# Allegro board ultrasound_tnr_1000a_01_20171121.brd (continued)
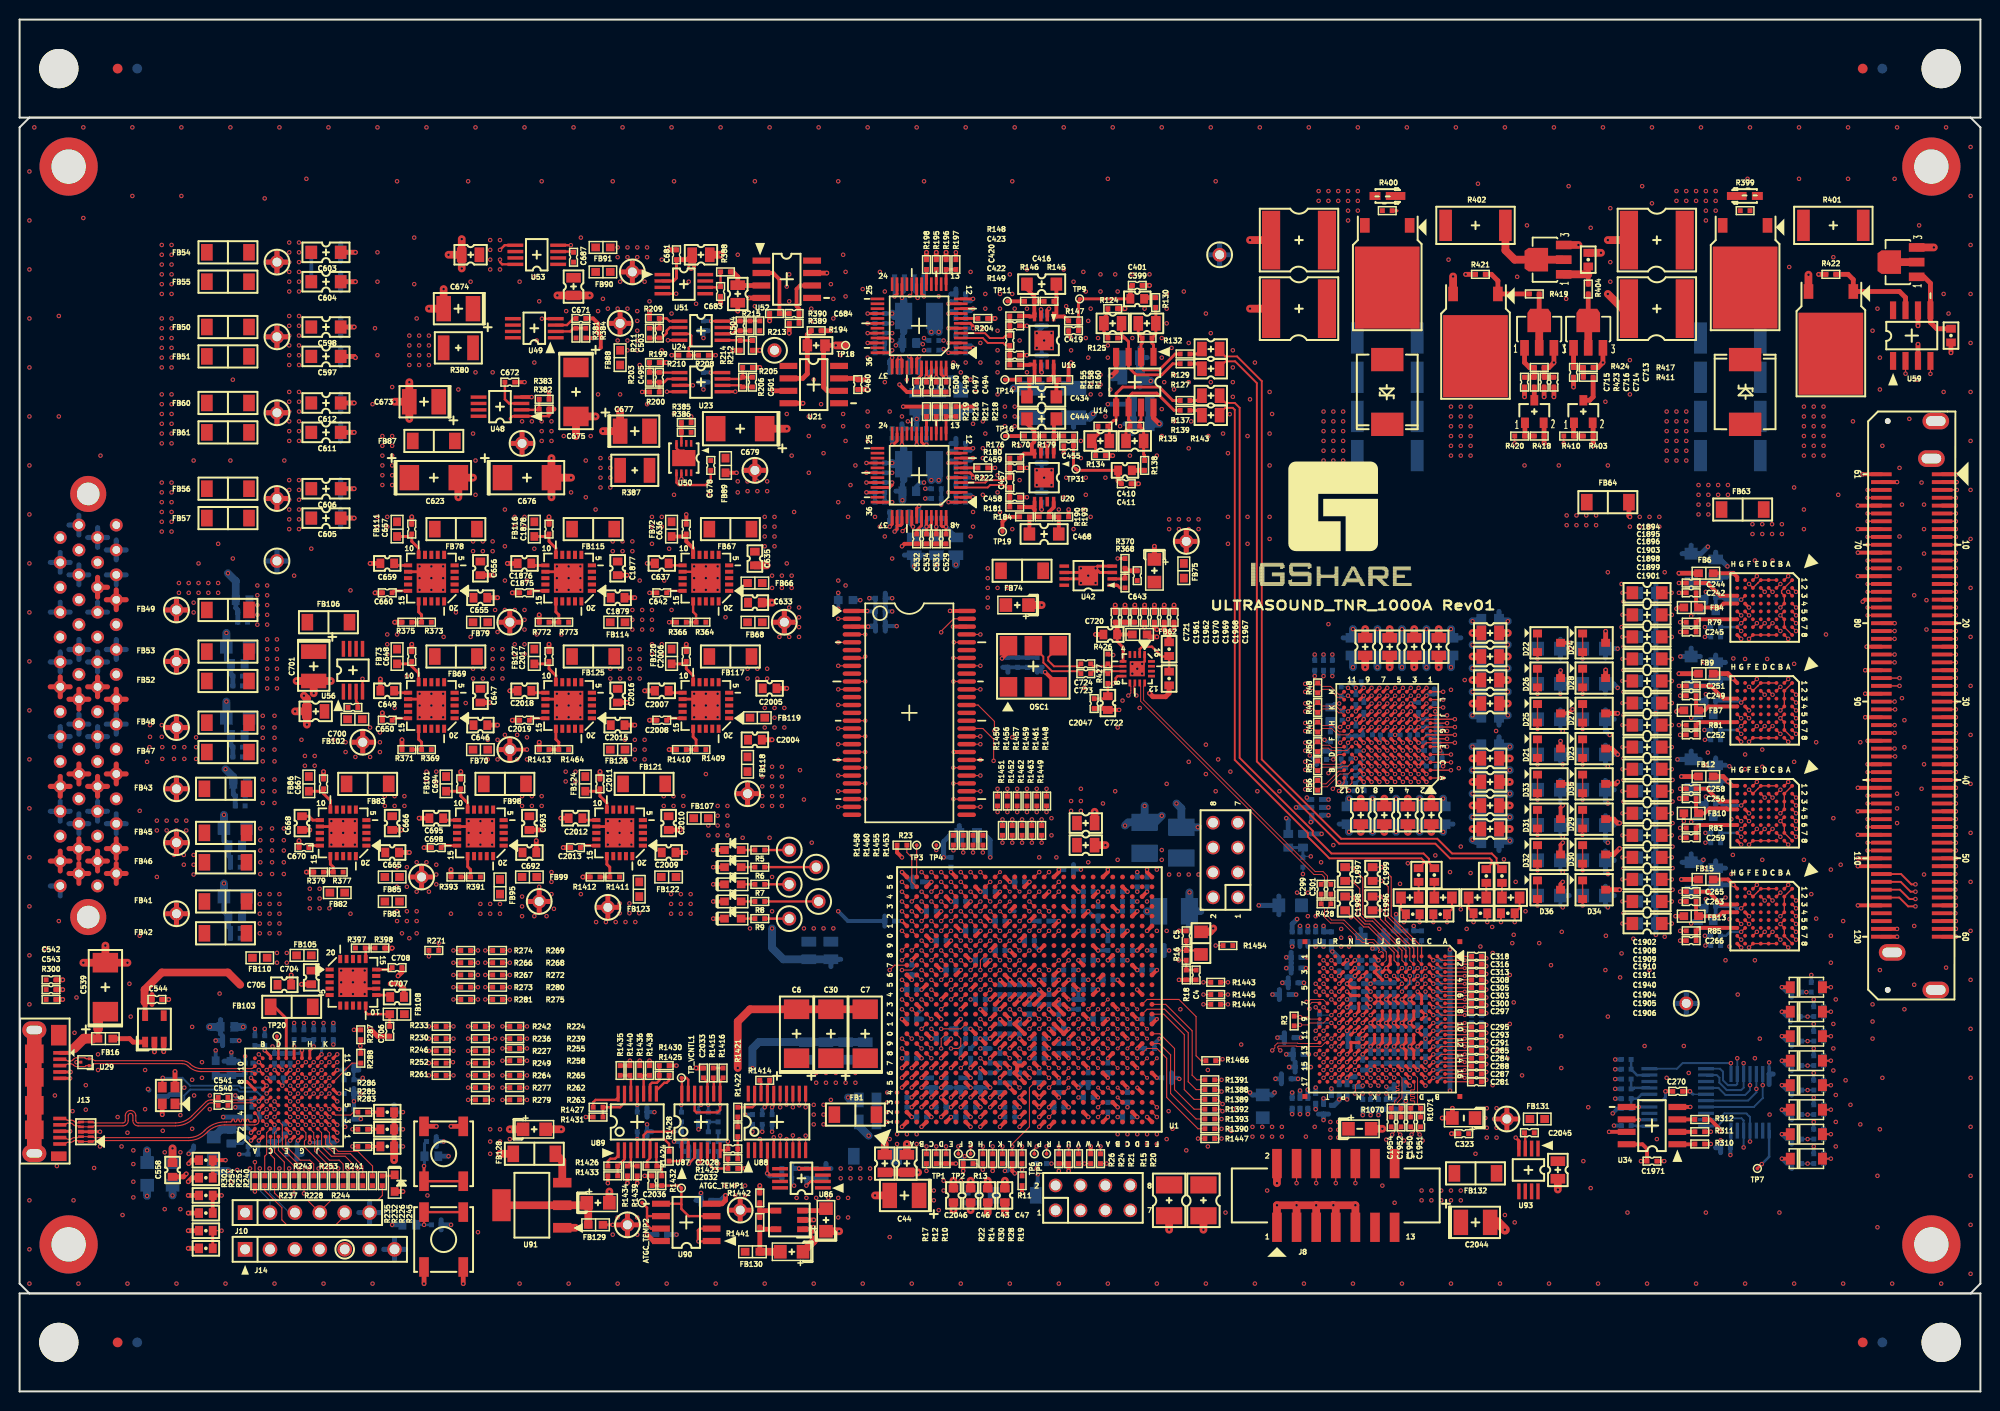
[diagram p0: board, top side]
## Routing (per net, layer and track width the routed paths; a pad name or vN(x,y) marks a point on that pad's centre or on a via; arc(x,y) is an arc through that point) (continued)
  TOP w0.5: v1(41.25,11) SW2.4 ; U21.4 v1(79.91,100.84) ; D34.3 v1(163.2,51.2) ; C704.2 v1(28.75,41.55) ; C2017.2 v1(54,76.25) ; C659.2 v1(35.75,84.5) ; R371.1 v1(39,66.5) ; C1877.2 v1(61.95,83.3) ; C323.2 v1(146.05,26.3) ; C2018.2 v1(50,71.5) ; C1878.2 v1(54,89.25) ; v1(145.1,27.9) C342.2 v1(146.14,28.89) ; R379.1 v1(29.25,53) ; C716.1 v1(155.5,101.5) ; SW1.4 v1(44,27.05) ; C722.2 110.85,69.7 C2047.2 ; C681.2 v1(66.25,116.5) ; C543.2 v1(4.4,41) ; R772.1 v1(53,79.25) ; R409.1 v1(197,106) ; R421.1 v1(147.5,114) ; C1876.2 v1(49.75,84.5) ; C2009.2 v1(67.95,55) ; R204.1 v1(99.5,109.5) ; R422.1 v1(183.5,114) ; R1410.1 v1(66.25,65.5) ; U52.4 v1(74.34,111.59) ; C2012.2 v1(55.2,58.5) ; C708.2 39,42.8 v1(38.6,42.4) ; C605.2 v1(34.12,89.12) ; C650.2 v1(37,69.25) ; C411.2 v1(114.12,92.62) ; C1968.2 v1(116.75,80.25) ; C611.2 v1(34.12,97.88) ; C2010.2 v1(67.4,57.3) ; C1962.2 v1(113.75,80.25) ; C645.1 v1(115.75,86.25) ; v1(17.2,21.4) 17.6,21.8 R297.1 ; D29.3 162.6,58.4 163,58 v1(163.2,58) ; v1(37.8,41.6) 38.7,41.6 39.2,41.1 C707.2 ; R298.1 v1(17.2,16.4) ; D27.3 v1(163,69.2) ; v1(163.2,55.4) 162.6,54.8 D30.3 ; C2016.2 v1(61.95,70.3) ; C597.2 34.12,105.62 v1(34.25,105.5) ; C660.2 v1(36.25,81.5) ; C655.2 v1(48.75,81) ; Y1.4 v1(14.55,28.25) ; C542.2 v1(4.4,42) ; C604.2 v1(34.25,113.25) ; C695.2 v1(40.75,58.5) ; C667.2 v1(31,63.25) ; C682.2 v1(73.25,110.25) ; R1413.1 v1(53,66.25) ; C1879.2 v1(62.75,81) ; C698.2 v1(41.25,55.5) ; SW1.3 v1(42.5,27.05) ; C2007.2 v1(63.75,71.5) ; C256.2 v1(169.3,60.5) ; C713.1 v1(158.5,102.5) ; C1875.2 v1(50.25,81.5) ; C720.2 v1(109.75,77.25) ; C603.2 v1(34.25,116.25) ; C706.2 36.5,36.25 v1(35.75,37) ; C460.1 v1(86.5,102.25) ; R393.1 v1(44,53.25) ; U92.1 80.8,16.55 v1(81,16.75) ; C694.2 v1(45,63.25) ; C649.2 v1(36.8,72.7) ; C670.2 v1(28.5,56.2) ; C2019.2 v1(50.25,68.5) ; R194.2 v1(82.75,108.25) ; Y1.2 v1(15.85,32.65) ; D28.3 v1(161.78,73.62) ; C612.2 v1(34.12,100.88) ; R375.1 v1(38.25,78.5) ; C544.1 v1(15.21,40) ; C606.2 v1(34.12,92.12) ; C666.2 v1(38.95,57.3) ; C1967.2 v1(117.75,80.25) ; C714.1 v1(156.5,101.5) ; D23.3 162.4,65.6 v1(163,65) ; R1468.1 117.25,71.25 116.9,70.9 115.6,70.9 v1(115.25,71.25) ; C2015.2 v1(62.75,68) ; C401.2 v1(115.25,112.88) ; C1969.2 v1(115.75,80.25) ; R1442.1 v1(75.5,21) ; R398.1 37.27,45.23 37.98,45.23 v1(38,45.25) ; C2011.2 v1(59.2,63.25) ; C558.1 16.7,21.9 v1(17,22.2) ; D35.3 162.8,62 v1(163,62.2) ; C715.1 v1(153.5,101.5) ; U30.2 v1(13.75,34.65) ; C657.2 v1(40,89.25) ; C648.2 v1(40,76.25) ; C1961.2 v1(112.75,80.25) ; SW2.3 v1(45.25,11) ; C668.2 v1(29.6,57.3) ; C2033.2 v1(69,33) ; C721.2 v1(111.75,80.25) ; C705.2 v1(27.7,42.5) ; R214.2 v1(72.75,106.25) ; C2006.2 v1(68,76.25) ; R134.2 v1(111.5,95.5) ; C2005.2 v1(78.25,71.75) ; C656.2 v1(48.2,83.3) ; C693.2 v1(53.2,57.3) ; U30.3 v1(14.7,34.67) ; C683.2 v1(71.5,111) ; C647.2 v1(47.95,70.3) ; R300.1 v1(4.4,40) ; R296.1 v1(17.2,20) ; D24.3 v1(161.78,77.58) ; R1412.1 v1(57.45,52.5) ; R124.2 v1(112.75,110.5) ; U59.3 v1(193.63,106.86) ; C646.2 v1(48.75,68) ; C692.2 v1(52.7,56.2) ; C2013.2 v1(55.45,55.5) ; C1970.2 v1(114.75,80.25) ; C2004.2 v1(76.75,66.5) ; C598.2 v1(34.12,108.62) ; C665.2 v1(39.75,55) ; C2008.2 v1(64.25,68.5)
  TOP w0.8: v1(132.25,19) v1(130.25,19) ; v1(132.25,19) J8.5 ; v1(132.25,19) v1(134,19) ; v1(130.25,19) J8.3 ; v1(130.25,19) v1(128.25,19) J8.1 ; C143.2 v1(152,59.8) ; C701.2 v1(28.25,72.5) ; C701.2 v1(31.75,72.5) ; C701.2 v1(30,71.25) ; C699.2 v1(28.1,69.4) ; C699.2 v1(29.3,68.05) ; C699.2 29.3,70.7 v1(29,71) ; C152.2 v1(141.6,57.1) ; R412.1 v1(161.3,116.2) ; v1(91.65,22.35) C130.2 C129.2 ; C539.2 v1(6.5,43.75) ; C539.2 v1(8.75,45.5) ; C539.2 v1(11,43.75) ; C44.2 v1(87.25,20) ; C673.2 v1(39.75,99.25) ; C673.2 v1(38.25,101) ; C673.2 v1(39.75,103) ; C144.2 v1(152,62.2) ; C172.2 v1(139.75,77.8) ; C163.2 v1(151.8,72.6) ; C78.2 v1(109.65,59.15) ; C153.2 v1(139.2,57.1) ; C158.2 v1(136.8,57.1) ; v1(81,16) 81,15.34 C2042.1 ; C146.2 v1(152,57.4) ; C334.2 v1(139,26.8) ; C679.1 v1(78.25,98.25) ; v1(61.25,100) C677.1 v1(59.5,98) ; J8.9 v1(136.25,19) v1(134,19) ; C60.2 v1(120.75,16.5) ; C61.2 v1(117.25,16.5) ; Q7.3 v1(182.46,113.96) ; C173.2 v1(137.25,77.8) ; C635.2 v1(76.2,84.3) ; C686.2 v1(45.1,117.6) ; C686.2 v1(45.1,114.6) ; C686.2 v1(43.75,116) ; C711.1 v1(125.5,117.5) ; C43.2 v1(98.75,18.25) ; C46.2 v1(97,18.5) ; C644.1 v1(104.25,80.25) ; C676.2 v1(56.25,93.25) ; C676.2 v1(54.25,95.25) ; C676.2 v1(54.25,91.25) ; v1(43.25,112.5) C674.2 v1(41.75,110.5) ; C154.2 v1(144,57.1) ; C167.2 v1(151.8,70.2) ; v1(73.25,33) 73.25,37.75 74.5,39 C6.2 C30.2 C7.2 ; C633.2 v1(76.75,80.5) ; v1(54.85,111.85) C685.2 v1(58.15,111.85) ; U91.1 v1(56.7,16.7) ; Q4.3 v1(159,117) ; C2046.2 v1(95.25,18.5) ; C165.2 v1(151.8,75) ; C2039.2 v1(55.25,26.75) ; C176.2 v1(144.75,77.8) ; v1(134,19) 134.25,18.75 J8.7 ; C709.1 163.5,110.5 v1(162,112) ; v1(46.25,93.25) C623.2 v1(44.75,91.25) ; Q8.3 v1(146.21,113.79) ; C47.2 v1(100.5,18.25) ; C680.2 v1(71.5,116) ; C710.1 v1(162,117.5) ; Q3.3 v1(195.25,116.75) ; C114.2 v1(110.75,55.75) ; C180.2 v1(142.25,77.8) ; v1(56.75,97.5) C675.2 v1(58.75,99.5) ; C166.2 v1(151.8,77.4) ; C712.1 v1(125.5,110.5) ; C2040.2 v1(60.16,20.41) ; C2041.1 v1(83.59,16.34) ; C2043.2 v1(156.9,20.6) ; C142.2 v1(152,64.6)
  TOP w1: C2044.2 150.75,17.25 v1(151.5,16.5)
  GND1 w0.53: J12.52 10.87,83.33 ; J12.52 9.86,82.32 ; J12.52 8.85,83.33 ; J12.52 9.86,84.35 ; 7.95,50.57 J12.2 ; J12.2 8.96,51.59 ; J12.2 6.94,51.59 ; J12.2 7.95,52.6 ; 6.94,56.66 J12.10 ; J12.10 8.96,56.66 ; J12.10 7.95,57.68 ; J12.10 7.95,55.65 ; 8.85,78.25 J12.44 ; J12.44 9.86,79.27 ; J12.44 10.87,78.25 ; J12.44 9.86,77.24 ; J12.16 9.86,61.49 ; J12.16 8.85,60.48 ; J12.16 9.86,59.46 ; J12.16 10.87,60.48 ; 8.85,88.42 9.86,88.42 ; 9.86,88.42 9.86,89.43 ; 9.86,88.42 9.86,87.4 ; 9.86,88.42 10.87,88.42 ; 7.95,78.51 J12.46 ; J12.46 7.95,80.54 ; J12.46 8.96,79.53 ; J12.46 6.94,79.53 ; 34.6,18.25 J10.6 ; J10.6 36.8,18.25 ; J10.6 35.7,17.15 ; J10.6 35.7,19.35 ; TH14.1 26.25,85.81 ; TH14.1 26.25,83.69 ; TH14.1 27.31,84.75 ; TH14.1 25.19,84.75 ; 6.05,59.46 J12.15 ; J12.15 6.05,61.49 ; J12.15 5.04,60.48 ; J12.15 7.06,60.48 ; J12.35 6.05,74.19 ; J12.35 7.06,73.17 ; J12.35 6.05,72.16 ; J12.35 5.04,73.17 ; 3.13,56.66 J12.9 ; J12.9 5.15,56.66 ; J12.9 4.14,57.68 ; J12.9 4.14,55.65 ; J12.30 8.96,69.37 ; J12.30 7.95,70.38 ; J12.30 6.94,69.37 ; J12.30 7.95,68.35 ; J12.21 4.14,65.3 ; J12.21 5.15,64.28 ; J12.21 3.13,64.28 ; J12.21 4.14,63.27 ; 4.14,83.59 J12.53 ; J12.53 4.14,85.62 ; J12.53 3.13,84.61 ; J12.53 5.15,84.61 ; 6.05,87.4 6.05,88.42 ; 6.05,88.42 7.06,88.42 ; 6.05,88.42 6.05,89.43 ; 6.05,88.42 5.04,88.42 ; 9.86,64.54 J12.24 ; J12.24 9.86,66.57 ; J12.24 8.85,65.56 ; J12.24 10.87,65.56 ; 168.94,39.6 TH13.1 ; TH13.1 171.06,39.6 ; TH13.1 170,40.66 ; TH13.1 170,38.54 ; J12.1 4.14,52.6 ; J12.1 4.14,50.57 ; J12.1 5.15,51.59 ; J12.1 3.13,51.59 ; J12.51 7.06,83.33 ; J12.51 6.05,82.32 ; J12.51 6.05,84.35 ; J12.51 5.04,83.33 ; 5.04,65.56 J12.23 ; J12.23 6.05,66.57 ; J12.23 6.05,64.54 ; J12.23 7.06,65.56 ; J12.45 5.15,79.53 ; J12.45 4.14,80.54 ; J12.45 4.14,78.51 ; J12.45 3.13,79.53 ; 121.34,116 TH12.1 ; TH12.1 122.4,114.94 ; TH12.1 123.46,116 ; TH12.1 122.4,117.06 ; 8.85,73.17 J12.36 ; J12.36 10.87,73.17 ; J12.36 9.86,72.16 ; J12.36 9.86,74.19 ; 5.04,78.25 J12.43 ; J12.43 7.06,78.25 ; J12.43 6.05,77.24 ; J12.43 6.05,79.27 ; 6.94,64.28 J12.22 ; J12.22 8.96,64.28 ; J12.22 7.95,65.3 ; J12.22 7.95,63.27 ; 37.14,14.5 J14.7 ; J14.7 38.24,13.4 ; J14.7 39.34,14.5 ; J14.7 38.24,15.6 ; J12.42 8.96,76.98 ; J12.42 6.94,76.98 ; J12.42 7.95,78 ; J12.42 7.95,75.97 ; 4.14,68.35 J12.29 ; J12.29 3.13,69.37 ; J12.29 5.15,69.37 ; J12.29 4.14,70.38 ; J12.54 7.95,85.62 ; J12.54 7.95,83.59 ; J12.54 8.96,84.61 ; J12.54 6.94,84.61 ; 4.14,75.97 J12.41 ; J12.41 5.15,76.98 ; J12.41 4.14,78 ; J12.41 3.13,76.98
  GND2 w0.53: 168.94,39.6 TH13.1 ; TH13.1 170,38.54 ; TH13.1 170,40.66 ; TH13.1 171.06,39.6 ; J12.42 7.95,78 ; J12.42 7.95,75.97 ; J12.42 8.96,76.98 ; J12.42 6.94,76.98 ; 5.04,65.56 J12.23 ; J12.23 7.06,65.56 ; J12.23 6.05,64.54 ; J12.23 6.05,66.57 ; 25.19,84.75 TH14.1 ; TH14.1 26.25,83.69 ; TH14.1 27.31,84.75 ; TH14.1 26.25,85.81 ; J12.45 4.14,80.54 ; J12.45 5.15,79.53 ; J12.45 4.14,78.51 ; J12.45 3.13,79.53 ; J12.2 7.95,52.6 ; J12.2 6.94,51.59 ; J12.2 7.95,50.57 ; J12.2 8.96,51.59 ; 8.85,78.25 J12.44 ; J12.44 9.86,79.27 ; J12.44 9.86,77.24 ; J12.44 10.87,78.25 ; J12.54 8.96,84.61 ; J12.54 7.95,83.59 ; J12.54 6.94,84.61 ; J12.54 7.95,85.62 ; 5.04,60.48 J12.15 ; J12.15 6.05,61.49 ; J12.15 7.06,60.48 ; J12.15 6.05,59.46 ; 3.13,69.37 J12.29 ; J12.29 4.14,70.38 ; J12.29 5.15,69.37 ; J12.29 4.14,68.35 ; 8.85,88.42 9.86,88.42 ; 9.86,88.42 10.87,88.42 ; 9.86,88.42 9.86,87.4 ; 9.86,88.42 9.86,89.43 ; 5.04,88.42 6.05,88.42 ; 6.05,88.42 6.05,87.4 ; 6.05,88.42 6.05,89.43 ; 6.05,88.42 7.06,88.42 ; J12.51 6.05,84.35 ; J12.51 5.04,83.33 ; J12.51 7.06,83.33 ; J12.51 6.05,82.32 ; 8.85,60.48 J12.16 ; J12.16 10.87,60.48 ; J12.16 9.86,59.46 ; J12.16 9.86,61.49 ; 6.94,64.28 J12.22 ; J12.22 7.95,65.3 ; J12.22 8.96,64.28 ; J12.22 7.95,63.27 ; 35.7,17.15 J10.6 ; J10.6 36.8,18.25 ; J10.6 35.7,19.35 ; J10.6 34.6,18.25 ; 6.94,79.53 J12.46 ; J12.46 7.95,80.54 ; J12.46 8.96,79.53 ; J12.46 7.95,78.51 ; J12.52 10.87,83.33 ; J12.52 8.85,83.33 ; J12.52 9.86,82.32 ; J12.52 9.86,84.35 ; 4.14,83.59 J12.53 ; J12.53 3.13,84.61 ; J12.53 5.15,84.61 ; J12.53 4.14,85.62 ; J12.1 4.14,52.6 ; J12.1 4.14,50.57 ; J12.1 3.13,51.59 ; J12.1 5.15,51.59 ; 3.13,76.98 J12.41 ; J12.41 5.15,76.98 ; J12.41 4.14,78 ; J12.41 4.14,75.97 ; J12.43 7.06,78.25 ; J12.43 6.05,79.27 ; J12.43 6.05,77.24 ; J12.43 5.04,78.25 ; J12.21 5.15,64.28 ; J12.21 4.14,63.27 ; J12.21 3.13,64.28 ; J12.21 4.14,65.3 ; 9.86,64.54 J12.24 ; J12.24 9.86,66.57 ; J12.24 10.87,65.56 ; J12.24 8.85,65.56 ; J12.30 7.95,70.38 ; J12.30 6.94,69.37 ; J12.30 8.96,69.37 ; J12.30 7.95,68.35 ; J12.9 5.15,56.66 ; J12.9 3.13,56.66 ; J12.9 4.14,57.68 ; J12.9 4.14,55.65 ; J12.36 10.87,73.17 ; J12.36 9.86,74.19 ; J12.36 9.86,72.16 ; J12.36 8.85,73.17 ; 38.24,13.4 J14.7 ; J14.7 38.24,15.6 ; J14.7 39.34,14.5 ; J14.7 37.14,14.5 ; J12.35 6.05,74.19 ; J12.35 6.05,72.16 ; J12.35 7.06,73.17 ; J12.35 5.04,73.17 ; J12.10 7.95,57.68 ; J12.10 8.96,56.66 ; J12.10 7.95,55.65 ; J12.10 6.94,56.66 ; TH12.1 123.46,116 ; TH12.1 122.4,114.94 ; TH12.1 122.4,117.06 ; TH12.1 121.34,116
  GND3 w0.53: 3.13,84.61 J12.53 ; J12.53 5.15,84.61 ; J12.53 4.14,85.62 ; J12.53 4.14,83.59 ; J12.52 9.86,84.35 ; J12.52 8.85,83.33 ; J12.52 9.86,82.32 ; J12.52 10.87,83.33 ; 4.14,78.51 J12.45 ; J12.45 4.14,80.54 ; J12.45 3.13,79.53 ; J12.45 5.15,79.53 ; 3.13,56.66 J12.9 ; J12.9 4.14,57.68 ; J12.9 5.15,56.66 ; J12.9 4.14,55.65 ; TH13.1 171.06,39.6 ; TH13.1 170,40.66 ; TH13.1 170,38.54 ; TH13.1 168.94,39.6 ; J12.2 7.95,52.6 ; J12.2 7.95,50.57 ; J12.2 8.96,51.59 ; J12.2 6.94,51.59 ; 3.13,76.98 J12.41 ; J12.41 5.15,76.98 ; J12.41 4.14,78 ; J12.41 4.14,75.97 ; 6.94,76.98 J12.42 ; J12.42 7.95,78 ; J12.42 7.95,75.97 ; J12.42 8.96,76.98 ; J12.16 10.87,60.48 ; J12.16 8.85,60.48 ; J12.16 9.86,61.49 ; J12.16 9.86,59.46 ; 6.05,87.4 6.05,88.42 ; 6.05,88.42 5.04,88.42 ; 6.05,88.42 6.05,89.43 ; 6.05,88.42 7.06,88.42 ; J12.10 8.96,56.66 ; J12.10 6.94,56.66 ; J12.10 7.95,55.65 ; J12.10 7.95,57.68 ; J12.29 5.15,69.37 ; J12.29 3.13,69.37 ; J12.29 4.14,68.35 ; J12.29 4.14,70.38 ; J12.21 5.15,64.28 ; J12.21 3.13,64.28 ; J12.21 4.14,63.27 ; J12.21 4.14,65.3 ; 6.05,64.54 J12.23 ; J12.23 6.05,66.57 ; J12.23 5.04,65.56 ; J12.23 7.06,65.56 ; 7.95,63.27 J12.22 ; J12.22 6.94,64.28 ; J12.22 8.96,64.28 ; J12.22 7.95,65.3 ; J14.7 39.34,14.5 ; J14.7 38.24,13.4 ; J14.7 38.24,15.6 ; J14.7 37.14,14.5 ; J12.51 6.05,84.35 ; J12.51 7.06,83.33 ; J12.51 5.04,83.33 ; J12.51 6.05,82.32 ; J12.15 7.06,60.48 ; J12.15 6.05,61.49 ; J12.15 5.04,60.48 ; J12.15 6.05,59.46 ; TH12.1 123.46,116 ; TH12.1 122.4,114.94 ; TH12.1 121.34,116 ; TH12.1 122.4,117.06 ; 7.95,78.51 J12.46 ; J12.46 6.94,79.53 ; J12.46 8.96,79.53 ; J12.46 7.95,80.54 ; TH14.1 26.25,85.81 ; TH14.1 25.19,84.75 ; TH14.1 26.25,83.69 ; TH14.1 27.31,84.75 ; 9.86,87.4 9.86,88.42 ; 9.86,88.42 10.87,88.42 ; 9.86,88.42 9.86,89.43 ; 9.86,88.42 8.85,88.42 ; J12.35 6.05,74.19 ; J12.35 7.06,73.17 ; J12.35 5.04,73.17 ; J12.35 6.05,72.16 ; 35.7,17.15 J10.6 ; J10.6 34.6,18.25 ; J10.6 35.7,19.35 ; J10.6 36.8,18.25 ; J12.30 8.96,69.37 ; J12.30 6.94,69.37 ; J12.30 7.95,68.35 ; J12.30 7.95,70.38 ; 6.05,77.24 J12.43 ; J12.43 6.05,79.27 ; J12.43 7.06,78.25 ; J12.43 5.04,78.25 ; 9.86,72.16 J12.36 ; J12.36 8.85,73.17 ; J12.36 9.86,74.19 ; J12.36 10.87,73.17 ; J12.44 10.87,78.25 ; J12.44 8.85,78.25 ; J12.44 9.86,79.27 ; J12.44 9.86,77.24 ; 4.14,50.57 J12.1 ; J12.1 5.15,51.59 ; J12.1 4.14,52.6 ; J12.1 3.13,51.59 ; 6.94,84.61 J12.54 ; J12.54 7.95,83.59 ; J12.54 7.95,85.62 ; J12.54 8.96,84.61 ; 8.85,65.56 J12.24 ; J12.24 10.87,65.56 ; J12.24 9.86,66.57 ; J12.24 9.86,64.54
  GND4 w0.53: J12.2 7.95,52.6 ; J12.2 6.94,51.59 ; J12.2 7.95,50.57 ; J12.2 8.96,51.59 ; 8.85,78.25 J12.44 ; J12.44 9.86,77.24 ; J12.44 9.86,79.27 ; J12.44 10.87,78.25 ; 7.95,63.27 J12.22 ; J12.22 8.96,64.28 ; J12.22 7.95,65.3 ; J12.22 6.94,64.28 ; 25.19,84.75 TH14.1 ; TH14.1 26.25,83.69 ; TH14.1 26.25,85.81 ; TH14.1 27.31,84.75 ; J12.15 6.05,61.49 ; J12.15 5.04,60.48 ; J12.15 6.05,59.46 ; J12.15 7.06,60.48 ; J12.1 5.15,51.59 ; J12.1 4.14,52.6 ; J12.1 4.14,50.57 ; J12.1 3.13,51.59 ; J12.21 4.14,65.3 ; J12.21 3.13,64.28 ; J12.21 5.15,64.28 ; J12.21 4.14,63.27 ; J12.52 10.87,83.33 ; J12.52 9.86,84.35 ; J12.52 9.86,82.32 ; J12.52 8.85,83.33 ; J12.36 10.87,73.17 ; J12.36 8.85,73.17 ; J12.36 9.86,72.16 ; J12.36 9.86,74.19 ; 9.86,87.4 9.86,88.42 ; 9.86,88.42 10.87,88.42 ; 9.86,88.42 8.85,88.42 ; 9.86,88.42 9.86,89.43 ; 34.6,18.25 J10.6 ; J10.6 35.7,17.15 ; J10.6 36.8,18.25 ; J10.6 35.7,19.35 ; J12.30 8.96,69.37 ; J12.30 7.95,70.38 ; J12.30 6.94,69.37 ; J12.30 7.95,68.35 ; 9.86,59.46 J12.16 ; J12.16 9.86,61.49 ; J12.16 10.87,60.48 ; J12.16 8.85,60.48 ; J14.7 38.24,15.6 ; J14.7 37.14,14.5 ; J14.7 38.24,13.4 ; J14.7 39.34,14.5 ; 5.04,78.25 J12.43 ; J12.43 6.05,79.27 ; J12.43 6.05,77.24 ; J12.43 7.06,78.25 ; 6.05,82.32 J12.51 ; J12.51 7.06,83.33 ; J12.51 5.04,83.33 ; J12.51 6.05,84.35 ; 5.04,88.42 6.05,88.42 ; 6.05,88.42 7.06,88.42 ; 6.05,88.42 6.05,87.4 ; 6.05,88.42 6.05,89.43 ; J12.9 4.14,57.68 ; J12.9 4.14,55.65 ; J12.9 5.15,56.66 ; J12.9 3.13,56.66 ; J12.29 5.15,69.37 ; J12.29 3.13,69.37 ; J12.29 4.14,68.35 ; J12.29 4.14,70.38 ; J12.23 7.06,65.56 ; J12.23 6.05,64.54 ; J12.23 5.04,65.56 ; J12.23 6.05,66.57 ; 3.13,76.98 J12.41 ; J12.41 5.15,76.98 ; J12.41 4.14,78 ; J12.41 4.14,75.97 ; 7.95,55.65 J12.10 ; J12.10 8.96,56.66 ; J12.10 6.94,56.66 ; J12.10 7.95,57.68 ; 121.34,116 TH12.1 ; TH12.1 122.4,117.06 ; TH12.1 123.46,116 ; TH12.1 122.4,114.94 ; 3.13,84.61 J12.53 ; J12.53 5.15,84.61 ; J12.53 4.14,83.59 ; J12.53 4.14,85.62 ; J12.45 5.15,79.53 ; J12.45 4.14,80.54 ; J12.45 3.13,79.53 ; J12.45 4.14,78.51 ; 170,38.54 TH13.1 ; TH13.1 168.94,39.6 ; TH13.1 171.06,39.6 ; TH13.1 170,40.66 ; 9.86,64.54 J12.24 ; J12.24 9.86,66.57 ; J12.24 10.87,65.56 ; J12.24 8.85,65.56 ; J12.46 7.95,80.54 ; J12.46 8.96,79.53 ; J12.46 7.95,78.51 ; J12.46 6.94,79.53 ; 7.95,83.59 J12.54 ; J12.54 6.94,84.61 ; J12.54 7.95,85.62 ; J12.54 8.96,84.61 ; 6.05,72.16 J12.35 ; J12.35 5.04,73.17 ; J12.35 7.06,73.17 ; J12.35 6.05,74.19 ; J12.42 8.96,76.98 ; J12.42 7.95,75.97 ; J12.42 7.95,78 ; J12.42 6.94,76.98
  GND5 w0.53: J12.53 5.15,84.61 ; J12.53 4.14,83.59 ; J12.53 4.14,85.62 ; J12.53 3.13,84.61 ; 6.05,59.46 J12.15 ; J12.15 6.05,61.49 ; J12.15 7.06,60.48 ; J12.15 5.04,60.48 ; J12.1 5.15,51.59 ; J12.1 4.14,50.57 ; J12.1 3.13,51.59 ; J12.1 4.14,52.6 ; 6.94,69.37 J12.30 ; J12.30 8.96,69.37 ; J12.30 7.95,68.35 ; J12.30 7.95,70.38 ; J12.42 7.95,78 ; J12.42 7.95,75.97 ; J12.42 8.96,76.98 ; J12.42 6.94,76.98 ; J12.46 7.95,80.54 ; J12.46 6.94,79.53 ; J12.46 7.95,78.51 ; J12.46 8.96,79.53 ; 5.04,78.25 J12.43 ; J12.43 6.05,77.24 ; J12.43 6.05,79.27 ; J12.43 7.06,78.25 ; J12.45 5.15,79.53 ; J12.45 4.14,78.51 ; J12.45 3.13,79.53 ; J12.45 4.14,80.54 ; J12.41 4.14,78 ; J12.41 4.14,75.97 ; J12.41 3.13,76.98 ; J12.41 5.15,76.98 ; J12.10 7.95,57.68 ; J12.10 7.95,55.65 ; J12.10 6.94,56.66 ; J12.10 8.96,56.66 ; 5.04,83.33 J12.51 ; J12.51 7.06,83.33 ; J12.51 6.05,84.35 ; J12.51 6.05,82.32 ; 6.94,51.59 J12.2 ; J12.2 7.95,50.57 ; J12.2 7.95,52.6 ; J12.2 8.96,51.59 ; J12.44 9.86,79.27 ; J12.44 10.87,78.25 ; J12.44 9.86,77.24 ; J12.44 8.85,78.25 ; J12.24 10.87,65.56 ; J12.24 9.86,64.54 ; J12.24 8.85,65.56 ; J12.24 9.86,66.57 ; 8.85,60.48 J12.16 ; J12.16 9.86,59.46 ; J12.16 9.86,61.49 ; J12.16 10.87,60.48 ; 37.14,14.5 J14.7 ; J14.7 39.34,14.5 ; J14.7 38.24,13.4 ; J14.7 38.24,15.6 ; 25.19,84.75 TH14.1 ; TH14.1 26.25,85.81 ; TH14.1 26.25,83.69 ; TH14.1 27.31,84.75 ; 8.85,73.17 J12.36 ; J12.36 9.86,74.19 ; J12.36 9.86,72.16 ; J12.36 10.87,73.17 ; J12.21 4.14,65.3 ; J12.21 4.14,63.27 ; J12.21 3.13,64.28 ; J12.21 5.15,64.28 ; 5.04,88.42 6.05,88.42 ; 6.05,88.42 7.06,88.42 ; 6.05,88.42 6.05,89.43 ; 6.05,88.42 6.05,87.4 ; J12.54 7.95,85.62 ; J12.54 7.95,83.59 ; J12.54 8.96,84.61 ; J12.54 6.94,84.61 ; J12.23 6.05,66.57 ; J12.23 6.05,64.54 ; J12.23 5.04,65.56 ; J12.23 7.06,65.56 ; 34.6,18.25 J10.6 ; J10.6 36.8,18.25 ; J10.6 35.7,19.35 ; J10.6 35.7,17.15 ; 9.86,88.42 9.86,89.43 ; 9.86,88.42 9.86,87.4 ; 9.86,88.42 10.87,88.42 ; 9.86,88.42 8.85,88.42 ; 168.94,39.6 TH13.1 ; TH13.1 171.06,39.6 ; TH13.1 170,40.66 ; TH13.1 170,38.54 ; 3.13,56.66 J12.9 ; J12.9 4.14,57.68 ; J12.9 4.14,55.65 ; J12.9 5.15,56.66 ; 121.34,116 TH12.1 ; TH12.1 122.4,117.06 ; TH12.1 123.46,116 ; TH12.1 122.4,114.94 ; J12.29 5.15,69.37 ; J12.29 4.14,68.35 ; J12.29 4.14,70.38 ; J12.29 3.13,69.37 ; 7.95,63.27 J12.22 ; J12.22 7.95,65.3 ; J12.22 6.94,64.28 ; J12.22 8.96,64.28 ; 6.05,72.16 J12.35 ; J12.35 6.05,74.19 ; J12.35 7.06,73.17 ; J12.35 5.04,73.17 ; 8.85,83.33 J12.52 ; J12.52 10.87,83.33 ; J12.52 9.86,84.35 ; J12.52 9.86,82.32
  GND6 w0.53: 121.34,116 TH12.1 ; TH12.1 122.4,117.06 ; TH12.1 122.4,114.94 ; TH12.1 123.46,116 ; 6.05,64.54 J12.23 ; J12.23 7.06,65.56 ; J12.23 6.05,66.57 ; J12.23 5.04,65.56 ; 5.04,60.48 J12.15 ; J12.15 7.06,60.48 ; J12.15 6.05,59.46 ; J12.15 6.05,61.49 ; 6.94,69.37 J12.30 ; J12.30 7.95,70.38 ; J12.30 7.95,68.35 ; J12.30 8.96,69.37 ; J12.46 7.95,80.54 ; J12.46 6.94,79.53 ; J12.46 7.95,78.51 ; J12.46 8.96,79.53 ; 3.13,76.98 J12.41 ; J12.41 4.14,78 ; J12.41 5.15,76.98 ; J12.41 4.14,75.97 ; J12.35 7.06,73.17 ; J12.35 6.05,72.16 ; J12.35 6.05,74.19 ; J12.35 5.04,73.17 ; J12.36 10.87,73.17 ; J12.36 9.86,74.19 ; J12.36 8.85,73.17 ; J12.36 9.86,72.16 ; J12.29 4.14,70.38 ; J12.29 5.15,69.37 ; J12.29 3.13,69.37 ; J12.29 4.14,68.35 ; 4.14,55.65 J12.9 ; J12.9 4.14,57.68 ; J12.9 5.15,56.66 ; J12.9 3.13,56.66 ; J12.43 7.06,78.25 ; J12.43 5.04,78.25 ; J12.43 6.05,77.24 ; J12.43 6.05,79.27 ; J12.10 8.96,56.66 ; J12.10 7.95,55.65 ; J12.10 7.95,57.68 ; J12.10 6.94,56.66 ; J12.51 7.06,83.33 ; J12.51 6.05,84.35 ; J12.51 5.04,83.33 ; J12.51 6.05,82.32 ; J10.6 35.7,19.35 ; J10.6 35.7,17.15 ; J10.6 36.8,18.25 ; J10.6 34.6,18.25 ; J12.22 8.96,64.28 ; J12.22 6.94,64.28 ; J12.22 7.95,63.27 ; J12.22 7.95,65.3 ; 170,38.54 TH13.1 ; TH13.1 168.94,39.6 ; TH13.1 170,40.66 ; TH13.1 171.06,39.6 ; 8.85,65.56 J12.24 ; J12.24 10.87,65.56 ; J12.24 9.86,66.57 ; J12.24 9.86,64.54 ; J12.54 7.95,85.62 ; J12.54 6.94,84.61 ; J12.54 8.96,84.61 ; J12.54 7.95,83.59 ; J12.44 9.86,79.27 ; J12.44 10.87,78.25 ; J12.44 9.86,77.24 ; J12.44 8.85,78.25 ; 8.85,60.48 J12.16 ; J12.16 9.86,61.49 ; J12.16 9.86,59.46 ; J12.16 10.87,60.48 ; 9.86,82.32 J12.52 ; J12.52 10.87,83.33 ; J12.52 8.85,83.33 ; J12.52 9.86,84.35 ; J12.2 7.95,52.6 ; J12.2 6.94,51.59 ; J12.2 8.96,51.59 ; J12.2 7.95,50.57 ; 6.05,88.42 6.05,89.43 ; 6.05,88.42 7.06,88.42 ; 6.05,88.42 6.05,87.4 ; 6.05,88.42 5.04,88.42 ; J12.42 8.96,76.98 ; J12.42 7.95,78 ; J12.42 7.95,75.97 ; J12.42 6.94,76.98 ; 4.14,63.27 J12.21 ; J12.21 5.15,64.28 ; J12.21 4.14,65.3 ; J12.21 3.13,64.28 ; 9.86,88.42 10.87,88.42 ; 9.86,88.42 9.86,89.43 ; 9.86,88.42 8.85,88.42 ; 9.86,88.42 9.86,87.4 ; J14.7 38.24,15.6 ; J14.7 37.14,14.5 ; J14.7 39.34,14.5 ; J14.7 38.24,13.4 ; 3.13,84.61 J12.53 ; J12.53 5.15,84.61 ; J12.53 4.14,85.62 ; J12.53 4.14,83.59 ; TH14.1 27.31,84.75 ; TH14.1 26.25,83.69 ; TH14.1 25.19,84.75 ; TH14.1 26.25,85.81 ; 4.14,50.57 J12.1 ; J12.1 5.15,51.59 ; J12.1 4.14,52.6 ; J12.1 3.13,51.59 ; 3.13,79.53 J12.45 ; J12.45 5.15,79.53 ; J12.45 4.14,80.54 ; J12.45 4.14,78.51
  BOTTOM w0.14: U8.15 170.68,30.32
  BOTTOM w0.25: C563.1 24.15,32.5 24.4,32.75 v1(24.4,32.8) ; C476.2 91.25,112.25 91.5,112 ; C358.2 141,40.9 v1(141,40.8) ; 90.15,112.1 90.25,112.2 C469.2 ; U9.7 v1(178.45,33.58)
  BOTTOM w0.3: C545.1 28.5,34.5 v1(28.8,34.8) ; 134.7,63.65 134.8,63.75 R65.2 ; 134.7,63.65 134.05,63.65 v1(133.5,63.1) ; 134.7,63.65 C212.2 ; C236.2 144.1,67 144.31,66.79 144.31,66.21 C221.2 ; v1(144.4,69.4) 144.5,69.3 C228.2 C227.2 ; v1(143.5,71) 143.6,71.1 144.2,71.1 C229.2 ; C196.2 133.3,66.3 v1(133.1,66.5) ; v1(94.25,106.38) 94.12,106.25 C516.2 ; v1(137.1,67.8) 137,67.7 C232.2 136.9,66.9 C239.2 R64.2 ; C231.2 135.85,72.25 v1(136.3,71.8) C213.2 ; C211.2 v1(135.6,61.3) ; C321.2 v1(143.4,40.8) ; C220.2 v1(144.9,65.4) 145.1,65.2 C216.2 ; v1(131.6,64.9) 132,64.5 R66.2 ; C210.2 C237.2 134.7,62.05 v1(134.6,62.15) ; C514.2 89.62,107 v1(89.38,106.75) ; v1(35,32) 34.8,31.8 C575.1 C574.1 ; C547.1 v1(31,37.6) ; v1(89.75,105.5) 90,105.25 90,104.62 ; C217.2 v1(145.2,63.8) ; C560.1 22.7,25.3 23,25.6 C559.1 23.3,25.9 v1(23.6,25.6) ; R301.2 26.9,31.3 v1(26.8,31.2) ; C553.1 26.5,25.5 27,26 C573.1 27.5,26.3 v1(27.6,26.4) ; C215.2 v1(140.3,67) C218.2 ; 170.68,30.32 v1(170.38,30.62) ; v1(141.9,70.2) 142,70.3 C230.2 ; v1(22.4,24.2) C566.1 C565.1 ; C515.2 v1(94.25,107.25) ; R290.1 v1(39.1,28.5)
  BOTTOM w0.4: C109.2 84.5,48 v1(83.5,49) ; C243.2 v1(172,81.6) ; v1(179.75,26.25) 180.25,25.75 C279.2 ; R207.1 v1(89,110) ; C278.2 180.25,28.25 v1(179.75,28.75) ; v1(94.75,94.75) 95,95 C518.2 C523.2 ; C253.2 v1(171.85,67.5) ; v1(94.75,110) 95,110.25 C482.2 C487.2 ; C235.2 v1(133,75.2) ; C569.1 v1(29,37.6) ; L14.1 157.16,53.24 v1(157.4,53) ; v1(140.4,48.7) 140.4,47.2 C2000.1 C2001.1 ; C17.2 v1(97,40) ; C54.2 U1.AB3 v1(112,29) ; C21.2 v1(102,38) ; C490.2 C485.2 v1(90.75,105.62) ; v1(141.8,31.2) 141.3,31.2 C349.2 C330.2 ; C90.2 v1(113,47) ; C2030.2 v1(76.75,26.5) ; C112.2 U1.F11 v1(96,38) ; C275.2 180.25,33.25 v1(179.75,33.75) ; C2027.2 v1(75.75,26.5) ; C520.2 C525.2 v1(94.75,90.75) ; C3.2 96.25,23.85 v1(96.4,24) ; C122.2 v1(96,29) ; C42.2 v2(107,37) ; C233.2 v1(133.9,75.2) ; C221.2 C220.2 ; C2031.2 v1(74.75,26.5) ; v1(100.5,22.5) 100.75,22.5 101.25,23 R29.2 ; C33.2 v1(102,40) ; C452.2 104.25,93 v1(104.5,93.25) 104.25,93.5 C462.1 ; C84.2 v1(115,51) ; C64.2 v1(91,42) ; v1(118.29,31.89) 118.18,32 C56.2 ; v1(89,106.25) 88.75,106 C475.2 C472.2 ; C63.2 v1(99,45) ; v1(103.75,108) 104.25,108.5 C428.1 ; C67.2 v1(95,50) ; C571.1 v1(24,37) ; C125.2 v1(95,28) ; C126.2 v1(95,29) ; C49.2 v2(111,32) ; C86.2 v1(110,44) ; v1(157.4,56.6) 157.16,56.84 L10.1 ; C41.2 v1(103,35) ; C272.2 180.25,40.75 v1(179.75,41.25) ; C16.2 v1(100,40) ; v1(137.8,41.6) 137.9,41.7 C332.2 ; v1(94,90.5) C479.2 C480.2 ; R284.1 v1(39.1,26.75) ; C81.2 v2(101,52) ; C82.2 v1(106,48) ; C89.2 v1(110,47) ; v1(104.5,107.25) 104.25,107 C418.2 ; C35.2 v2(106,40) ; C116.2 v1(97,31) ; C2034.2 v1(64,27.25) ; C48.2 v2(116,38) ; v1(92,39) 91.5,38.5 C110.2 ; L2.1 157.16,64.24 v1(157.4,64) ; C59.2 v1(112,28) ; C32.2 v1(108,41) ; v1(108,41) C102.2 ; v1(108,41) C20.2 ; C127.2 v1(91,30) ; C103.2 v1(114,43) ; C264.2 v1(172,50.25) ; R223.1 v1(89,94.75) ; C88.2 v1(102,46) ; C99.2 v1(113,44) ; v1(96,34) 96,35 96.5,35.5 C19.2 ; C717.1 v1(89,80.95) ; C15.2 v1(98,39) ; C271.2 v1(173.5,25.62) ; C470.2 C469.2 ; R221.1 v1(89,92.75) ; C570.1 v1(30,37.6) ; C238.2 v1(137.1,68.6) ; C14.2 99.5,32.5 v1(100,33) C11.2 ; C572.1 v1(25,37) ; v1(89,90.75) C510.2 C507.2 ; C98.2 109.5,48.5 v1(109,49) C85.2 ; v1(79.5,22.75) C2021.2 C2020.2 C2022.2 ; C8.2 v1(98,35) ; C473.2 C476.2 ; C36.2 v2(106,36) ; C554.1 v1(28,37.6) ; C484.2 C489.2 v1(94.75,106) ; C79.2 v1(98,51) ; C9.2 v1(103,38) ; C22.2 v1(104,41) ; C108.2 v1(90,41) ; C91.2 v1(108,43) ; C38.2 v1(105,36) ; C280.2 180.25,23.25 v1(179.75,23.75) ; C488.2 C483.2 v1(94.75,108.5) ; L12.1 157.16,60.04 v1(157.4,59.8) ; L8.1 v1(157.16,71.2) ; v1(90,96.62) C512.2 C509.2 ; C95.2 C87.2 v1(108,51) ; C123.2 v1(100,29) ; C10.2 v1(109,42) ; C277.2 180.25,30.75 v1(179.75,31.25) ; C66.2 v1(92,49) ; C57.2 v1(105,29) ; C100.2 v1(110,42) ; C115.2 v1(92,31) ; R202.1 v1(89,108) ; C119.2 v1(94,31) ; C53.2 v1(108,30) ; L17.1 157.16,49.64 v1(157.4,49.4) ; C506.2 C505.2 89.75,88.5 89.47,88.22 89.47,87.97 v1(89.25,87.75) ; C39.2 v1(100,36) ; C511.2 C508.2 v1(91.5,96.62) ; L4.1 157.16,67.64 v1(157.4,67.4) ; C94.2 C83.2 v1(112,49) ; v1(94.75,111) 95,111.25 C481.2 C486.2 ; C474.2 C471.2 v1(89.75,105.5) ; C80.2 v1(111,51) ; R92.1 v1(162.75,32.88) ; R201.1 v1(89,109) ; C52.2 v2(109,38) ; v1(179.75,36.25) 180.25,35.75 C274.2 ; C75.2 v1(94,43) ; v1(179.75,38.75) 180.25,38.25 C273.2 ; C551.1 32.2,25.4 v1(32.4,25.6) ; C556.1 v1(21.6,34.6) ; v1(162.5,28.38) 163,28.88 R90.1 ; v1(104.6,73.4) 104.3,73.4 C1965.2 C1966.2 C1964.2 C1963.2 ; C250.2 v1(172,71.15) ; C521.2 C526.2 90.75,88.62 v1(91.12,88.25) ; C2003.1 C2002.1 v1(142.2,47.5) ; C552.1 v1(34.1,29.6) ; C97.2 v1(114,53) ; C73.2 v1(97,44) ; C104.2 v1(112,45) ; v1(94.75,93.25) C519.2 C524.2 ; C2024.2 C2026.2 78.75,21.25 v1(79,21) ; C96.2 v1(108.25,53.25) ; v2(116.25,36) 115.75,35.5 C55.2 ; R220.1 v1(89,93.75) ; C491.2 v1(69.75,102.25) ; C13.2 v1(103,42) ; C234.2 v1(132.1,75.2) ; C62.2 v1(99,48) ; C246.2 v1(171.9,78) ; C26.2 v1(106,42) ; C118.2 v1(100,30) ; C257.2 v1(172,60.7) ; C517.2 C522.2 95,96 v1(94.75,95.75) ; C65.2 v1(93,46) ; C101.2 v1(117.25,45) ; v1(106,22.5) R27.2 R25.2 ; R278.1 v1(39.1,25) ; C93.2 v1(110,45) ; L7.1 v1(158.2,75.8) ; C27.2 v1(102,32) ; C51.2 v1(113,29) ; C719.1 v1(89,79.6) ; C548.1 v1(34.8,30.4) ; C37.2 v1(105,34) ; C45.2 v1(105.25,23.25) ; C28.2 v1(105,41) ; C128.2 v1(102,28) ; C69.2 91,52 v1(90,53) ; C555.1 v1(23,34.2) ; C72.2 v1(106,30) ; C68.2 v1(94.25,54.5) ; 101.5,49 v2(101,49) ; C18.2 v1(101,42) ; C58.2 v2(107,34) ; C2035.2 v1(64.75,28.5) ; R91.1 v1(162.75,30.88) ; C70.2 v1(96,47) ; C124.2 v1(91,28) ; C260.2 v1(171.95,57) ; C40.2 v1(101,38) ; C567.1 C568.1 28.3,25.5 v1(28.4,25.6) ; C12.2 v1(97,33) ; C74.2 v1(104,31) ; C502.2 v1(69.75,107.5) ; C71.2 v1(101,31) ; C107.2 v1(90,34) ; C111.2 v1(93,36) ; C718.1 v1(89.46,78.1) ; C117.2 v1(99,31) ; C267.2 v1(171.9,46.5)